# Altium PCB miniVent_PCB_v1_0.PcbDoc
Units mm, origin at the board's own origin, x right, y up, seen from the top; angles counter-clockwise.
Board outline 150 x 89 mm, 2 copper layers (Top Layer, Bottom Layer); 156 components, 119 nets, 524 pads, 179 vias.
Unrouted connection lines stored in the file: 74.
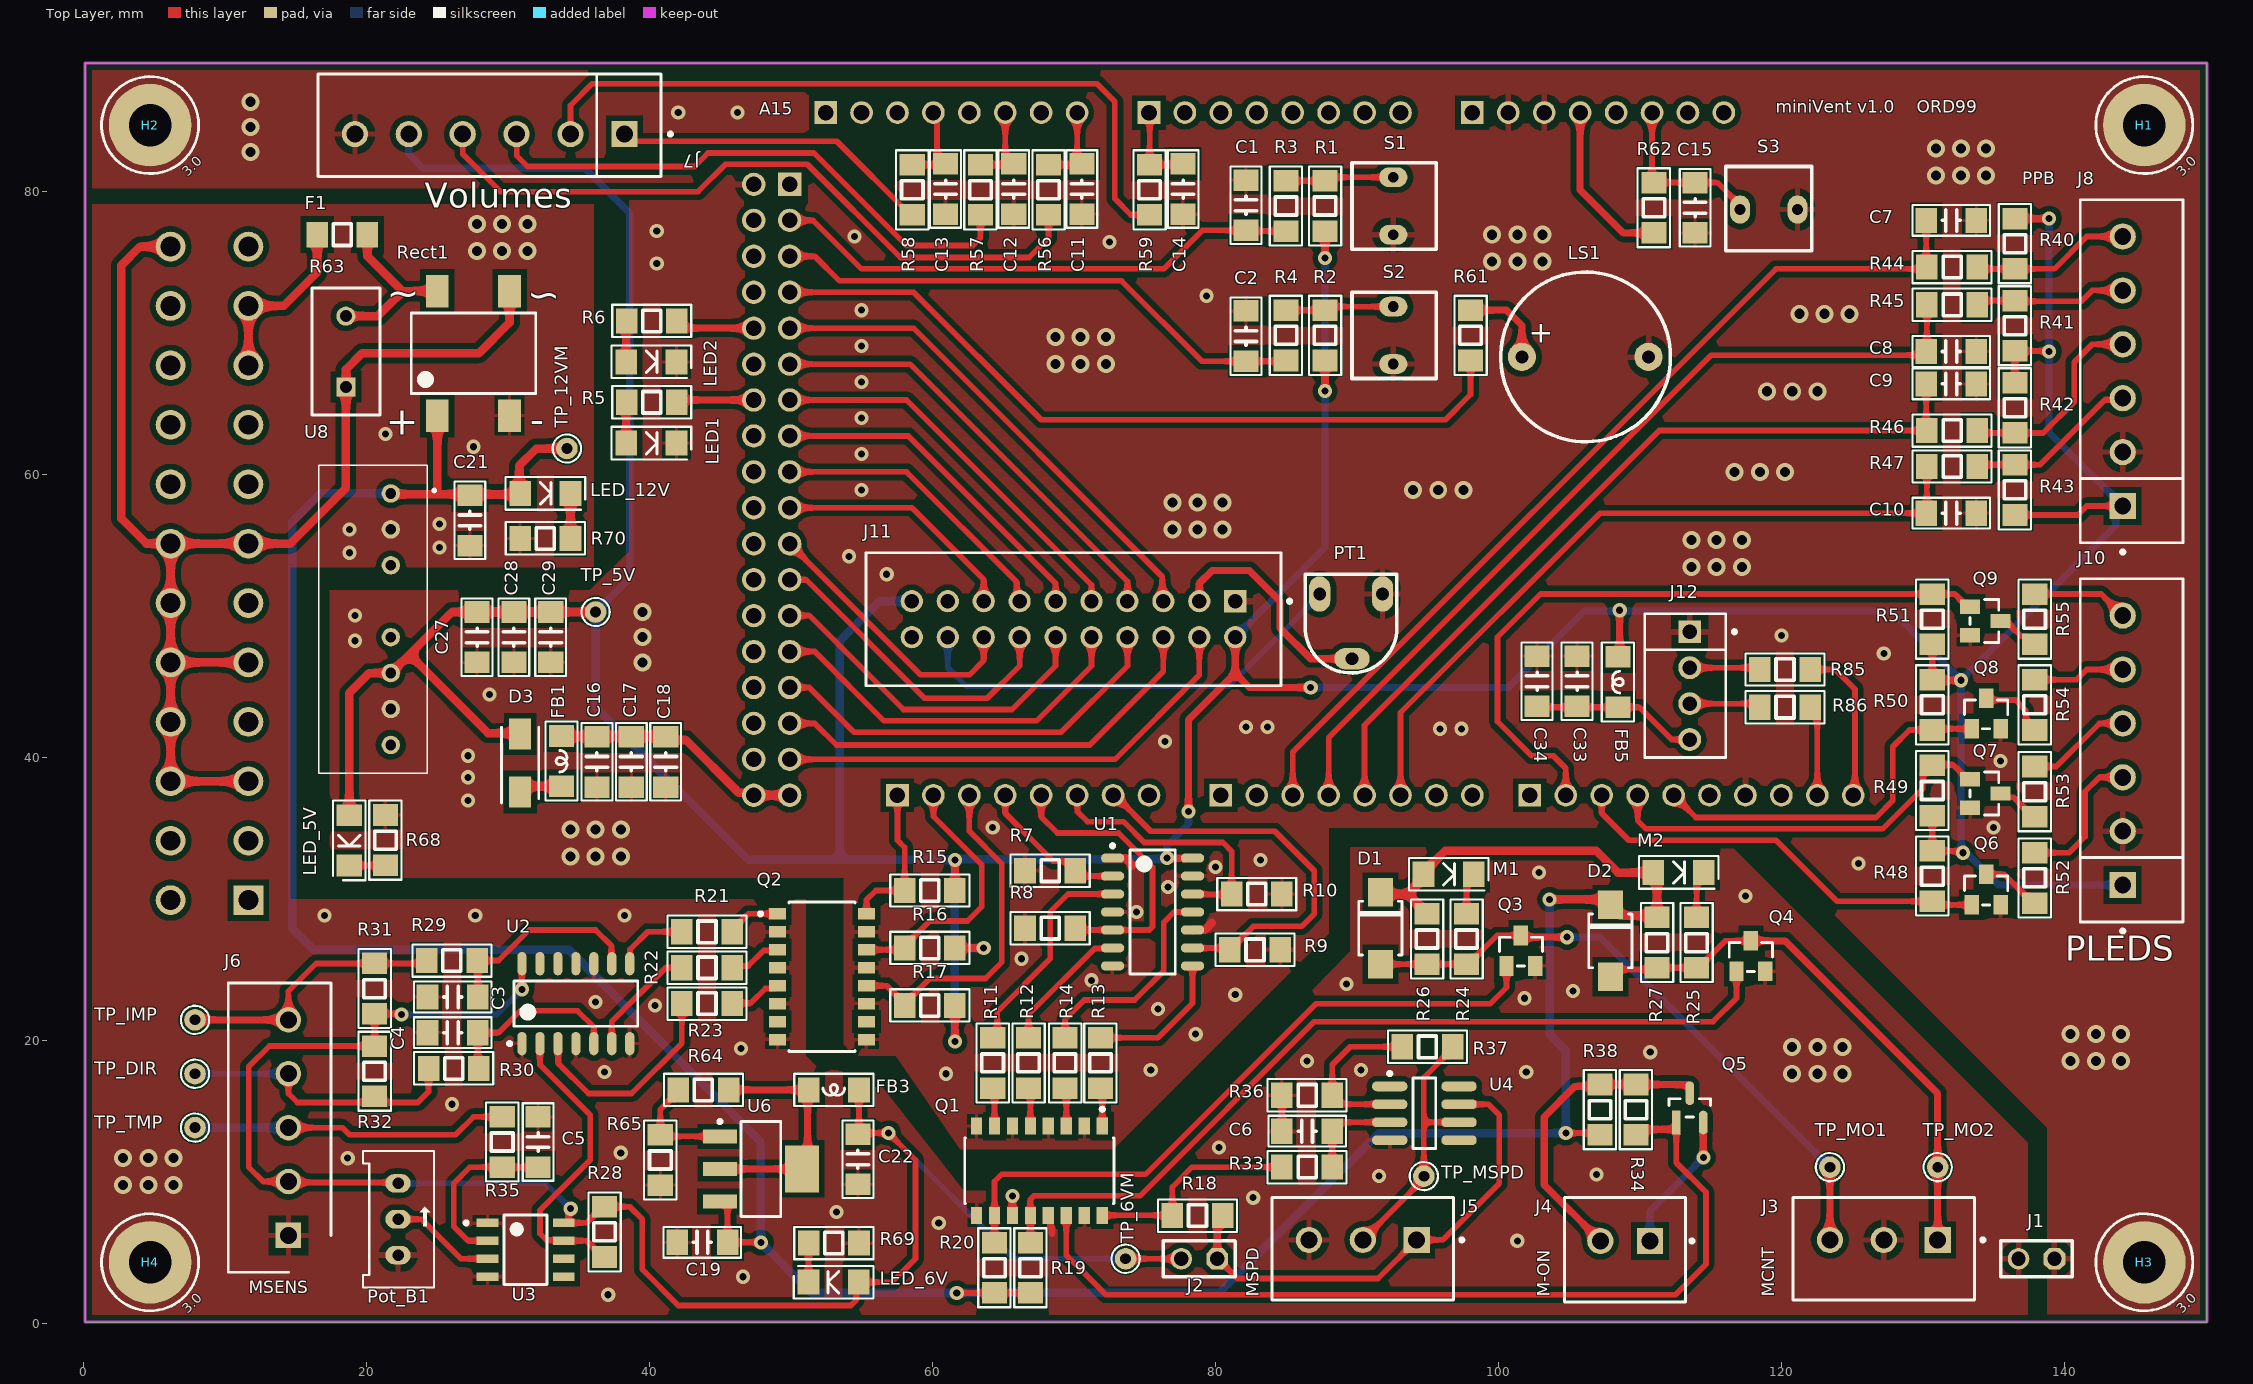
[diagram p0: Top Layer view]
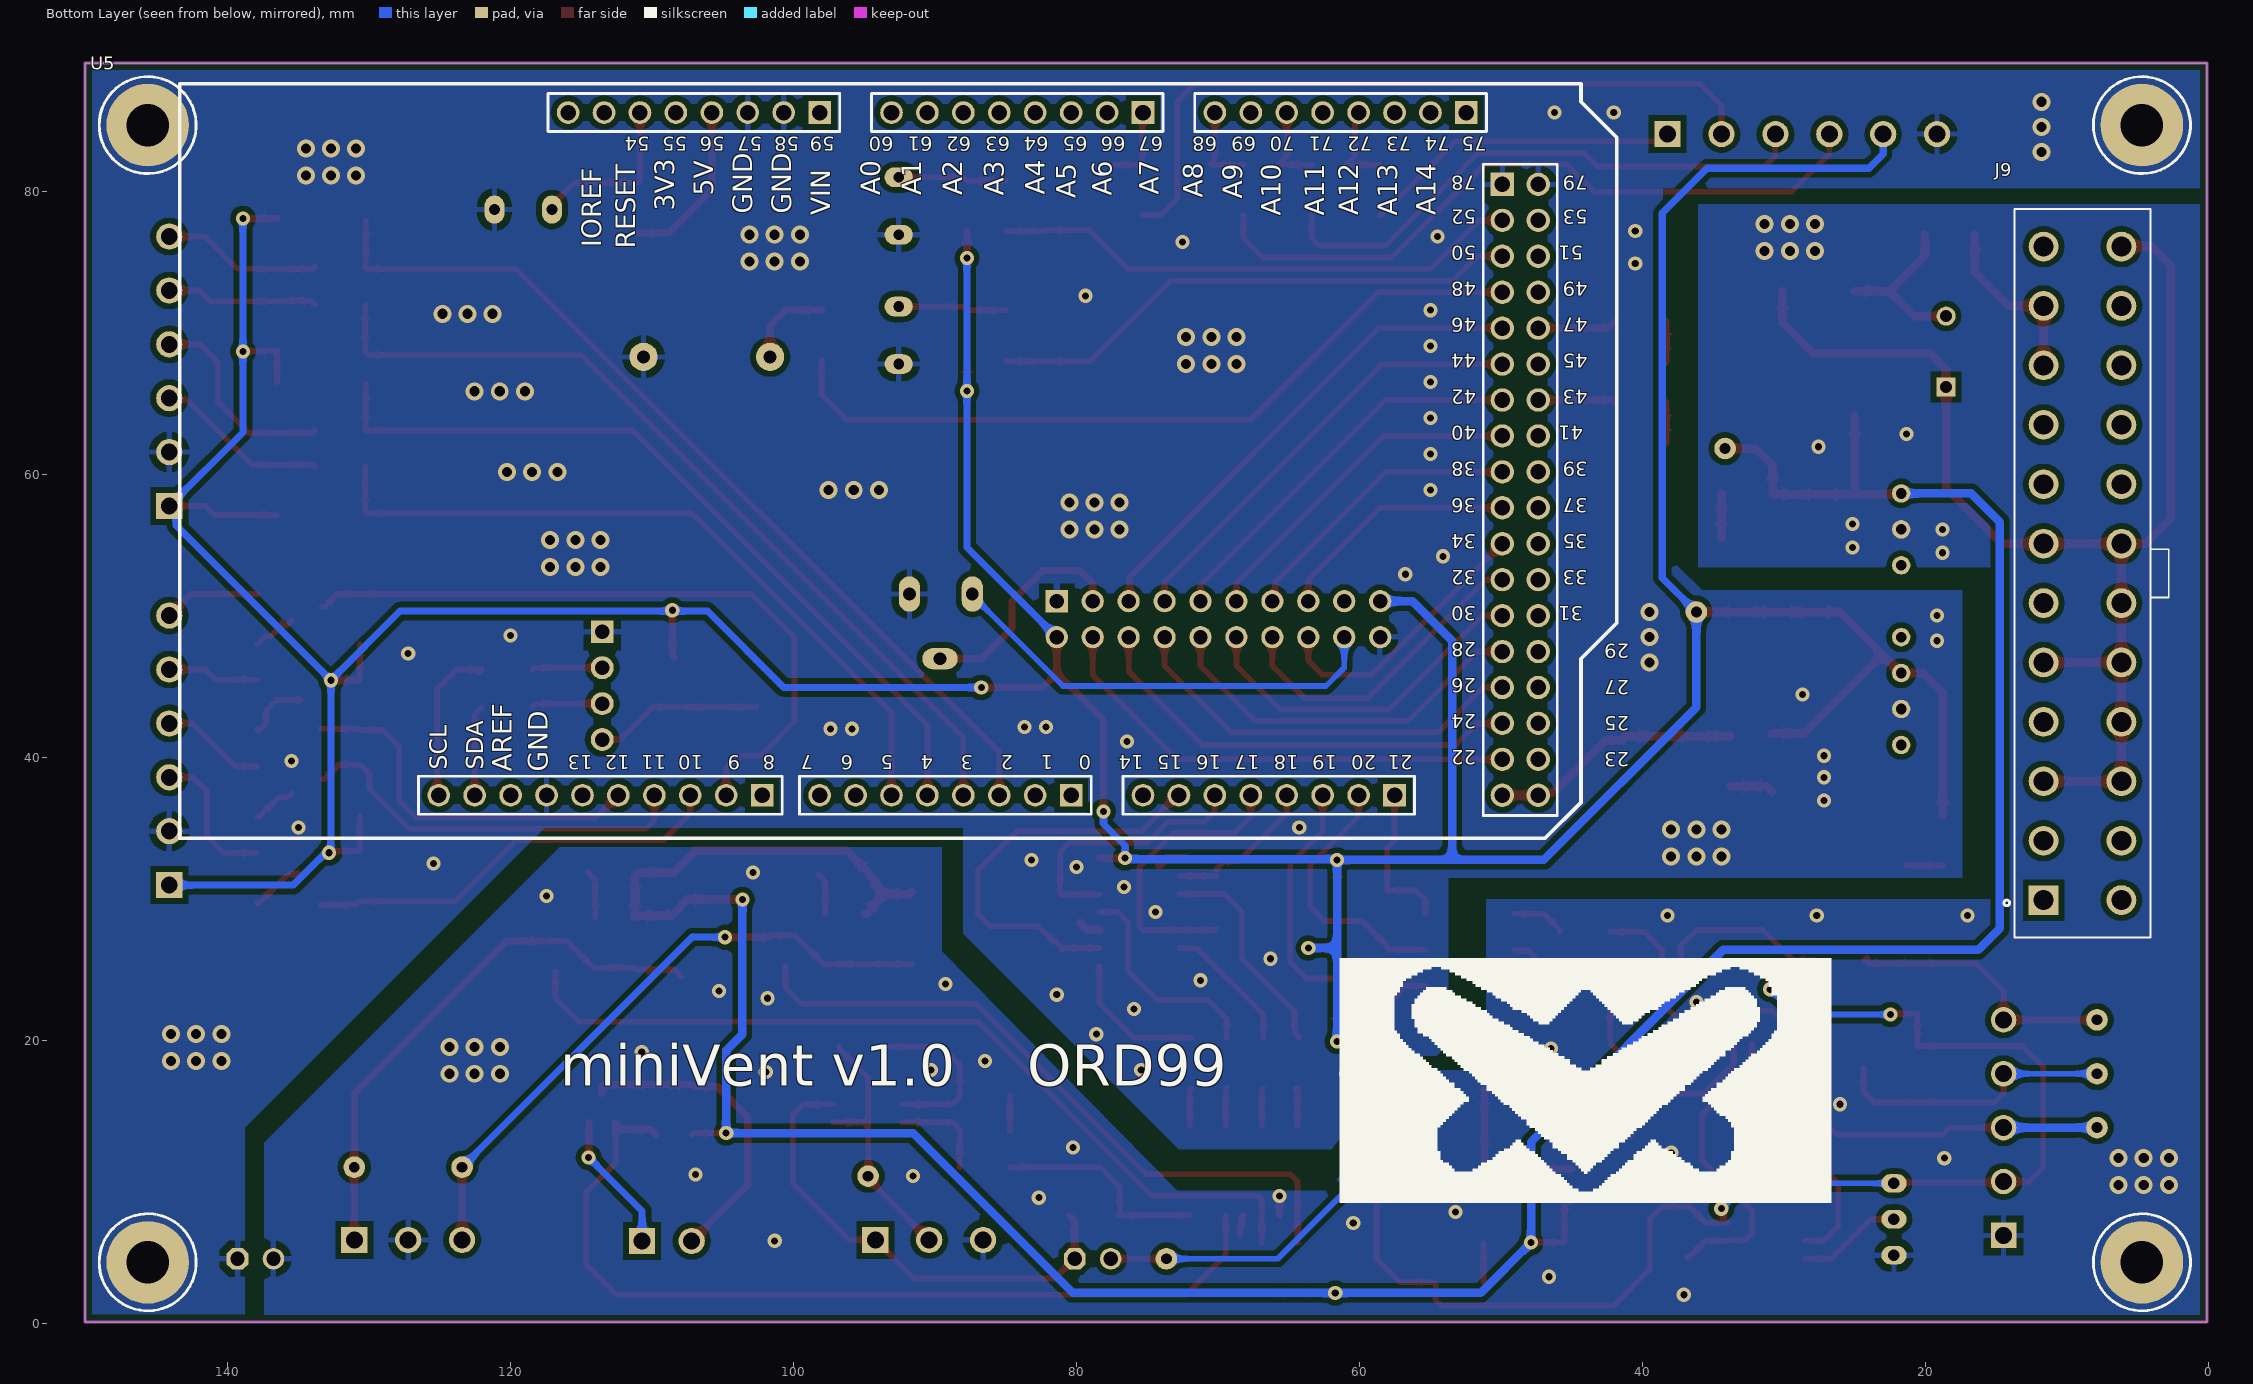
[diagram p1: Bottom Layer view, seen from below]

## Layer stack, top to bottom
Top Solder: solder mask 0.0102, Solder Resist, Dk 3.5
Top Layer: signal copper 0.0356
Dielectric 1: dielectric 0.32, FR-4, Dk 4.8
Bottom Layer: signal copper 0.0356
Bottom Solder: solder mask 0.0102, Solder Resist, Dk 3.5

## Board outline
0.1,0.1 0.1,89.1 150.1,89.1 150.1,0.1

## Design rules (kind name [scope] priority, off if disabled: settings)
Clearance [All] p1: gap=0.4 ignorepadtopadclearanceinfootprint=FALSE except(0: Arc-Hole Track-Hole SMDPad-Hole THPad-Hole Via-Hole Fill-Hole Poly-Hole Region-Hole Text-Hole)
HoleSize [All] p1: absolutevalues=TRUE maxlimit=3 minlimit=0.4 maxpercent=80.000 minpercent=20.000
PolygonConnect [All] p1: thpad.connectstyle=Relief thpad.reliefconductorwidth=0.4 thpad.reliefentries=4 thpad.polygonreliefangle="90 Angle" thpad.airgapwidth=0.5 smdpad.connectstyle=Relief smdpad.reliefconductorwidth=0.254 smdpad.reliefentries=4 smdpad.polygonreliefangle="90 Angle" smdpad.airgapwidth=0.254 via.connectstyle=Direct via.reliefconductorwidth=0.254 via.reliefentries=4 via.polygonreliefangle="90 Angle" via.airgapwidth=0.254
RoutingVias [All] p1: holewidth=0.5 width=1 viastyle="Through Hole" minholewidth=0.5 minwidth=1 maxholewidth=1 maxwidth=1.5
SilkToSilkClearance [All] p1: silktosilkclearance=0.01
SilkToSolderMaskClearance [IsPad] p1: minsilkscreentomaskgap=0.01 clearancetoexposedcopper=TRUE
SolderMaskExpansion [All] p1: expansion=0.102 istentingtop=FALSE
UnRoutedNet [All] p1: checkbadconnections=TRUE
Width [All] p1: maxlimit=1 minlimit=0.4 preferedwidth=0.5 minimp=50.000000 maximp=50.000000 favimp=50.000000
26 further rules are at their usual default settings.

## Classes and differential pairs
net class PPB_ard[1..4]: PPB_ard1 PPB_ard2 PPB_ard3 PPB_ard4
net class PLED_ard[1..4]: PLED_ard1 PLED_ard2 PLED_ard3 PLED_ard4
net class BPB_ard[1..2]: BPB_ard1 BPB_ard2
net class BLED_ard[1..2]: BLED_ard1 BLED_ard2
net class PPB_In[1..4]: PPB_In1 PPB_In2 PPB_In3 PPB_In4
net class PLED_Out[1..4]: PLED_Out1 PLED_Out2 PLED_Out3 PLED_Out4
net class DB[0..7]: DB0 DB1 DB2 DB3 DB4 DB5 DB6 DB7
component class Volume: C11 C12 C13 C14 R56 R57 R58 R59
component class Top: H1 H2 H3 H4 J3 J4 J5 J6 J7 J8 J9 J10 J11 POT1 PT1
component class Pressure_Sensor: C33 C34 FB5 J12 R85 R86
component class Power: C19 C21 C22 C27 C28 C29 F1 FB3 J1 J2 LED_5V LED_6V LED_12V R63 R64 R65 R68 R69 R70 Rect1 TP_5V TP_6VM TP_12VM U6 U8
component class Pannel_PB_LED: C7 C8 C9 C10 Q6 Q7 Q8 Q9 R40 R41 R42 R43 R44 R45 R46 R47 R48 R49 R50 R51 R52 R53 R54 R55
component class Motor_Driver: C3 C4 C5 C6 D1 D2 M1 M2 Pot_B1 Q1 Q2 Q3 Q4 Q5 R7 R8 R9 R10 R11 R12 R13 R14 R15 R16 R17 R18 R19 R20 R21 R22 R23 R24 R25 R26 R27 R28 R29 R30 R31 R32 R33 R34 R35 R36 R37 R38 TP_DIR TP_IMP TP_MO1 TP_MO2 TP_MSPD TP_TMP U1 U2 U3 U4
component class Board_PB_LED: C1 C2 LED1 LED2 R1 R2 R3 R4 R5 R6 S1 S2
component class Arduino: C15 C16 C17 C18 D3 FB1 LS1 R61 R62 S3 U5

## Components (designator, comment, footprint, x,y, rotation, side; value= is the part's Value field where it differs from the comment)
C1 "1u" C1206 82.169,79.048 r90 top
C2 "1u" C1206 82.169,69.796 r90 top
C3 "100n" C1206 26.089,23.078 r180 top
C4 "100n" C1206 26.089,20.555 r180 top
C5 "10u" C1206 32.131,12.827 r90 top
C6 "100n" C1206 86.487,13.589 r180 top
C7 "1u" C1206 132.026,77.978 r0 top
C8 "1u" C1206 132.026,68.707 r0 top
C9 "1u" C1206 132.026,66.421 r0 top
C10 "1u" C1206 132.026,57.277 r0 top
C11 "1u" C1206 70.567,80.191 r270 top
C12 "1u" C1206 65.75,80.191 r270 top
C13 "1u" C1206 60.933,80.191 r270 top
C14 "1u" C1206 77.724,80.191 r270 top
C15 "1u" C1206 113.919,78.867 r270 top
C16 "10u" C1206 36.287,39.697 r270 top
C17 "1u" C1206 38.717,39.697 r270 top
C18 "100n" C1206 41.148,39.697 r270 top
C19 "10u" C1206 43.742,5.737 r180 top
C21 "47u" C1206 27.305,56.769 r270 top
C22 "10u" C1206 54.737,11.611 r270 top
C27 "47u" C1206 27.813,48.514 r270 top
C28 "10u" C1206 30.416,48.514 r270 top
C29 "100n" C1206 33.02,48.514 r270 top
C33 "1u" C1206 105.574,45.393 r90 top
C34 "100n" C1206 102.743,45.393 r270 top
D1 "Diode" Diode-M7 91.669,27.94 r90 top
D2 "Diode" Diode-M7 107.925,27.051 r90 top
D3 "SS34" DIOM5026X262N 30.861,39.624 r90 top
F1 "Fuse" R1206 18.288,76.962 r0 top value=300mA
FB1 "0.955u" L1206 33.782,39.751 r90 top
FB3 "0.955u" L1206 53.033,16.51 r0 top
FB5 "0.955u" L1206 108.458,45.339 r270 top
H1 "Round Pad" P3.0C 145.669,84.709 r0 top
H2 "Round Pad" P3.0C 4.699,84.709 r0 top
H3 "Round Pad" P3.0C 145.669,4.325 r0 top
H4 "Round Pad" P3.0C 4.699,4.325 r0 top
J1 "Jumper" JUMPER2 138.049,4.572 r90 top
J2 "Jumper" JUMPER2 78.867,4.572 r90 top
J3 "Conn_Phoenix_Contact_1803439_eec" Phoenix_Contact_1803439_0 127.254,5.282 r180 top
J4 "1843606" Phoenix_Contact_1843606_MFG 108.966,5.207 r180 top
J5 "Conn_Phoenix_Contact_1803439_eec" Phoenix_Contact_1803439_0 90.424,5.282 r180 top
J6 "1803455" SHDR5W100P0X381_1X5_2044X725X920P 14.478,6.223 r90 top
J7 "Conn_Phoenix_Contact_1803468_eec" Phoenix_Contact_1803468_0 28.702,84.699 r180 top
J8 "Conn_Phoenix_Contact_1803468_eec" Phoenix_Contact_1803468_0 144.77,67.31 r90 top
J9 "2-1586041-4" "Molex24Pin - Vertical" 8.9,53.027 r90 bottom
J10 "Conn_Phoenix_Contact_1803468_eec" Phoenix_Contact_1803468_0 144.77,40.513 r90 top
J11 "TSS-110-01-G-D" Samtec_Inc._http--suddendocs.samtec.com-prints-tss-tstd.pdf_0 69.977,49.784 r180 top
J12 "Tel 6 Pin" TE_640454-4_0 113.218,45.085 r90 top
LED1 "LED" "LED 1206" 37.454,61.23 r0 top
LED2 "LED" "LED 1206" 37.454,66.977 r0 top
LED_5V "LED" "LED 1206" 17.78,36.83 r270 top
LED_6V "LED" "LED 1206" 55.7,3.921 r180 top
LED_12V "LED" "LED 1206" 29.961,57.674 r0 top
LS1 "KXG1205C" BUZZER 106.172,68.326 r0 top
M1 "LED" "LED 1206" 93.817,30.75 r0 top
M2 "LED" "LED 1206" 110.073,30.877 r0 top
Pot_B1 "POT_10K" 3296W 22.225,7.366 r90 top
PT1 "POT3" POT3 92.837,52.959 r180 top
Q1 "TLP281-4_GB-TP,J,F" Toshiba_11-10F1_0 67.564,10.795 r270 top
Q2 "TLP281-4_GB-TP,J,F" Toshiba_11-10F1_0 52.197,24.511 r0 top
Q3 "NMOS" "NMOS SOT-23" 101.6,25.273 r0 top
Q4 "NMOS" "NMOS SOT-23" 117.856,24.892 r0 top
Q5 "FDN360P" ON_Semiconductor_527AG-01_IPC_A 113.538,15.24 r90 top
Q6 "NMOS" "NMOS SOT-23" 134.493,29.591 r0 top
Q7 "NMOS" "NMOS SOT-23" 133.35,37.465 r270 top
Q8 "NMOS" "NMOS SOT-23" 134.493,42.037 r0 top
Q9 "NMOS" "NMOS SOT-23" 133.35,49.657 r270 top
R1 "10k" R1206 87.757,78.994 r90 top
R2 "10k" R1206 87.757,69.85 r90 top
R3 "1k" R1206 84.989,78.994 r90 top
R4 "1k" R1206 84.989,69.85 r90 top
R5 "1k" R1206 40.16,65.119 r0 top
R6 "1k" R1206 40.16,70.866 r0 top
R7 "10k" R1206 68.326,32.004 r0 top
R8 "10k" R1206 68.326,27.94 r180 top
R9 "10k" R1206 82.804,26.416 r0 top
R10 "10k" R1206 82.931,30.353 r0 top
R11 "499" R1206 64.262,18.415 r90 top
R12 "499" R1206 66.802,18.415 r90 top
R13 "499" R1206 71.882,18.415 r90 top
R14 "499" R1206 69.384,18.415 r90 top
R15 "10k" R1206 59.817,30.607 r180 top
R16 "10k" R1206 59.817,26.543 r180 top
R17 "10k" R1206 59.817,22.479 r180 top
R18 "2.2k" R1206 78.74,7.62 r180 top
R19 "2.2k" R1206 66.929,3.937 r90 top
R20 "10k" R1206 64.389,3.937 r90 top
R21 "499" R1206 44.069,27.686 r0 top
R22 "499" R1206 44.069,25.146 r0 top
R23 "499" R1206 44.069,22.606 r0 top
R24 "10k" R1206 97.765,27.178 r270 top
R25 "10k" R1206 114.021,26.924 r270 top
R26 "2.2k" R1206 94.971,27.178 r90 top
R27 "10k" R1206 111.227,26.924 r90 top
R28 "10k" R1206 36.83,6.477 r90 top
R29 "100" R1206 26.035,25.654 r0 top
R30 "100" R1206 26.162,18.034 r0 top
R31 "10k" R1206 20.574,23.673 r90 top
R32 "10k" R1206 20.574,17.831 r270 top
R33 "1k" R1206 86.487,11.049 r0 top
R34 "10k" R1206 109.728,15.113 r90 top
R35 "2.2k" R1206 29.591,12.827 r270 top
R36 "10k" R1206 86.487,16.129 r180 top
R37 "1k" R1206 94.996,19.558 r0 top
R38 "0" R1206 107.188,15.113 r270 top
R40 "10k" R1206 136.525,76.327 r270 top
R41 "10k" R1206 136.525,70.527 r90 top
R42 "10k" R1206 136.525,64.728 r270 top
R43 "10k" R1206 136.525,58.928 r90 top
R44 "1k" R1206 132.08,74.676 r0 top
R45 "1k" R1206 132.08,72.009 r0 top
R46 "1k" R1206 132.08,63.119 r0 top
R47 "1k" R1206 132.08,60.579 r0 top
R48 "10k" R1206 130.683,31.623 r90 top
R49 "10k" R1206 130.683,37.677 r270 top
R50 "10k" R1206 130.683,43.73 r90 top
R51 "10k" R1206 130.683,49.784 r270 top
R52 "2.2k" R1206 137.922,31.496 r90 top
R53 "2.2k" R1206 137.922,37.592 r90 top
R54 "2.2k" R1206 137.922,43.73 r90 top
R55 "2.2k" R1206 137.922,49.784 r90 top
R56 "1k" R1206 68.211,80.137 r270 top
R57 "1k" R1206 63.394,80.137 r270 top
R58 "1k" R1206 58.577,80.137 r270 top
R59 "1k" R1206 75.356,80.137 r270 top
R61 "1k" R1206 98.044,69.85 r90 top
R62 "10k" R1206 110.998,78.867 r90 top
R63 "Res Varistor" BOURNS_MOV-07D431K_0 18.542,68.707 r90 top
R64 "4.7k" R1206 43.815,16.51 r180 top
R65 "4.7k" R1206 40.767,11.557 r270 top
R68 "2.2k" R1206 21.336,34.163 r90 top
R69 "10k" R1206 53.033,5.684 r0 top
R70 "10k" R1206 32.639,55.499 r180 top
R85 "100" R1206 120.269,46.228 r180 top
R86 "100" R1206 120.269,43.561 r180 top
Rect1 "Rect DB107S" DB107S 27.559,68.58 r180 top
S1 "PB-2pin" PB-2pin 95.631,75.946 r90 top
S2 "PB-2pin" PB-2pin 95.631,66.802 r90 top
S3 "PB-2pin" PB-2pin 122.174,81.788 r180 top
TP_5V "Test Point" "Test Point Small" 36.195,50.292 r90 top
TP_6VM "Test Point" "Test Point Small" 73.66,4.572 r90 top
TP_12VM "Test Point" "Test Point Small" 34.163,61.849 r90 top
TP_DIR "Test Point" "Test Point Small" 7.874,17.653 r270 top
TP_IMP "Test Point" "Test Point Small" 7.874,21.463 r270 top
TP_MO1 "Test Point" "Test Point Small" 123.444,11.049 r90 top
TP_MO2 "Test Point" "Test Point Small" 131.064,11.049 r90 top
TP_MSPD "Test Point" "Test Point Small" 94.742,10.414 r90 top
TP_TMP "Test Point" "Test Point Small" 7.874,13.843 r0 top
U1 "SN74HC125D" D0014A_M 75.565,29.083 r0 top
U2 "SN74HC125D" D0014A_M 34.798,22.606 r90 top
U3 "LM311D" Texas_Instruments_D_R-PDSO-G8_0 31.242,5.207 r270 top
U4 "AD8051ARZ" ADI-R-8_M 94.779,14.859 r0 top
U5 "Arduino Mega2560" MEGA2560 81.661,61.468 r0 bottom locked
U6 "LM1117MP-ADJ" MP04A_N 47.879,10.922 r0 top
U8 "MCWI03-12S05" MCWI0312S05 20.764,49.784 r270 top

## Footprints (in the part's own frame and the unit in brackets; to place one, negate y for a bottom-side part, rotate by r counter-clockwise, add the part's x,y. Pads: shape width x height; smd on the part's side, far side on the other; paste and mask are expansions set on the pad)
3296W [mil]
  oval 52x70 hole 32: 1(-100,0) 2(0,0) 3(100,0)
  silkscreen extent -190,-100 190,97, body extent -187,-96 188,94, height 455
ADI-R-8_M [mm] "SOIC, 8-Leads, Body 4.9x3.9mm, Pitch 1.27mm, IPC Low Density"
  oval 2.5x0.7 smd: 1(-2.45,1.905) 2(-2.45,0.635) 3(-2.45,-0.635) 4(-2.45,-1.905) 5(2.45,-1.905) 6(2.45,-0.635) 7(2.45,0.635) 8(2.45,1.905)
  silkscreen extent -2.57,-2.5 0.8,2.93, body extent -2,-2.5 2,2.5, height 1.75
BOURNS_MOV-07D431K_0 [mm]
  rect 1.35x1.35 hole 0.85: 1(-2.5,0)
  round 1.35 hole 0.85: 2(2.5,0)
  silkscreen extent -4.5,-2.4 4.5,2.4, body extent -4.6,-2.5 4.6,2.5, height 0.25
BUZZER [mm] "BUZZER"
  round 2 hole 0.9: 1(-4.5,0) 2(4.45,0)
  silkscreen extent -6,-6 6,6
C1206 [mil]
  rect 60x70 smd: 1(-70,0) 2(70,0)
  silkscreen extent -108,-43 108,43, body extent -80,-34 85,37, height 37
D0014A_M [mm] "SOIC, 14-Leads, Body 8.75x4mm, Pitch 1.27mm, IPC Low Density"
  oval 1.65x0.65 smd: 1(-2.825,3.81) 2(-2.825,2.54) 3(-2.825,1.27) 4(-2.825,0) 5(-2.825,-1.27) 6(-2.825,-2.54) 7(-2.825,-3.81) 8(2.825,-3.81) 9(2.825,-2.54) 10(2.825,-1.27) 11(2.825,0) 12(2.825,1.27) 13(2.825,2.54) 14(2.825,3.81)
  silkscreen extent -2.95,-4.38 1.6,4.81, body extent -3.02,-4.32 3.02,4.32, height 1.59
DB107S [mm] "SOP, 4-Leads, Body 8.30x6.35mm, Pitch 5.10mm, IPC Medium Density"
  rect 1.6x2.3 smd: +(2.55,4.4) -(-2.55,4.4) A(2.55,-4.4) B(-2.55,-4.4)
  silkscreen extent -4.4,-2.85 4.4,2.85, body extent -4.4,-4.95 4.4,4.95, height 3.4
Diode-M7 [mil]
  rect 80x70 smd: A(-100,0) K(100,0)
  silkscreen extent -75,-60 75,60
DIOM5026X262N [mm]
  rect 2.2x1.55 smd: 1(-2.05,0) 2(2.05,0)
  silkscreen extent -2.83,-1.31 2.52,1.31, body extent -2.52,-1.31 2.52,1.31, height 2.62
JUMPER2 [mil]
  oct 60x60 hole 40: 1(0,-50)
  round 60 hole 40: 2(0,50)
  silkscreen extent -50,-100 50,100, body extent -53,-98 50,105, height 405
L1206 [mil]
  rect 60x70 smd: 1(-70,0) 2(70,0)
  silkscreen extent -110,-45 110,45, body extent -65,-31 61,32, height 49
"LED 1206" [mil]
  rect 60x70 smd: A(35.43,39.37) K(175.43,39.37)
  silkscreen extent -5,-6 217,85, body extent 41,8 167,71, height 43
MCWI0312S05 [mm]
  round 1.303 hole 0.76: 1(-8.89,0.953) 2(-6.35,0.953) 3(-3.81,0.953) 5(1.27,0.953) 6(3.81,0.953) 7(6.35,0.953) 8(8.89,0.953)
  silkscreen extent -10.9,-4.13 10.9,4.13
MEGA2560 [mm] "Arduino 2560"
  rect 1.6x1.6 hole 1.1: 0(-1.27,24.13) 8(20.574,24.13) 21(-24.13,24.13) 59(16.51,-24.13) 67(-6.35,-24.13) 75(-29.21,-24.13)
  round 1.6 hole 1.1: 1(1.27,24.13) 2(3.81,24.13) 3(6.35,24.13) 4(8.89,24.13) 5(11.43,24.13) 6(13.97,24.13) 7(16.51,24.13) 9(23.114,24.13) 10(25.654,24.13) 11(28.194,24.13) 12(30.734,24.13) 13(33.274,24.13) 14(-6.35,24.13) 15(-8.89,24.13) 16(-11.43,24.13) 17(-13.97,24.13) 18(-16.51,24.13) 19(-19.05,24.13) 20(-21.59,24.13) 54(29.21,-24.13) 55(26.67,-24.13) 56(24.13,-24.13) 57(21.59,-24.13) 58(19.05,-24.13) 60(11.43,-24.13) 61(8.89,-24.13) 62(6.35,-24.13) 63(3.81,-24.13) 64(1.27,-24.13) 65(-1.27,-24.13) 66(-3.81,-24.13) 68(-11.43,-24.13) 69(-13.97,-24.13) 70(-16.51,-24.13) 71(-19.05,-24.13) 72(-21.59,-24.13) 73(-24.13,-24.13) 74(-26.67,-24.13) 76(35.814,24.13) 77(38.354,24.13) 82(40.894,24.13) 83(43.434,24.13) 84(31.75,-24.13) 85(34.29,-24.13)
  round 1.65 hole 1.1: 22(-31.75,21.59) 23(-34.29,21.59) 24(-31.75,19.05) 25(-34.29,19.05) 26(-31.75,16.51) 27(-34.29,16.51) 28(-31.75,13.97) 29(-34.29,13.97) 30(-31.75,11.43) 31(-34.29,11.43) 32(-31.75,8.89) 33(-34.29,8.89) 34(-31.75,6.35) 35(-34.29,6.35) 36(-31.75,3.81) 37(-34.29,3.81) 38(-31.75,1.27) 39(-34.29,1.27) 40(-31.75,-1.27) 41(-34.29,-1.27) 42(-31.75,-3.81) 43(-34.29,-3.81) 44(-31.75,-6.35) 45(-34.29,-6.35) 46(-31.75,-8.89) 47(-34.29,-8.89) 48(-31.75,-11.43) 49(-34.29,-11.43) 50(-31.75,-13.97) 51(-34.29,-13.97) 52(-31.75,-16.51) 53(-34.29,-16.51) 79(-34.29,-19.05) 80(-34.29,24.13) 81(-31.75,24.13)
  rect 1.65x1.65 hole 1.1: 78(-31.75,-19.05)
  silkscreen extent -39.85,-26.16 61.75,27.18, body extent -39.88,-26.16 68.07,27.18, height 16.2
"Molex24Pin - Vertical" [mm] "Molex ATX 24Pin"
  rect 2.1x2.1 hole 1.4: 1(-23.1,2.75)
  round 2.1 hole 1.4: 2(-18.9,2.75) 3(-14.7,2.75) 4(-10.5,2.75) 5(-6.3,2.75) 6(-2.1,2.75) 7(2.1,2.75) 8(6.3,2.75) 9(10.5,2.75) 10(14.7,2.75) 11(18.9,2.75) 12(23.1,2.75) 13(-23.1,-2.75) 14(-18.9,-2.75) 15(-14.7,-2.75) 16(-10.5,-2.75) 17(-6.3,-2.75) 18(-2.1,-2.75) 19(2.1,-2.75) 20(6.3,-2.75) 21(10.5,-2.75) 22(14.7,-2.75) 23(18.9,-2.75) 24(23.1,-2.75)
  silkscreen extent -25.75,-6.1 25.75,5.55, body extent -26.67,-6.1 27.23,6.2, height 24.88
MP04A_N [mm] "SOT223, 4-Leads, Body 6.5x3.5mm, Pitch 2.3mm, Lead Span 7mm, IPC Medium Density"
  rect 2.4x1 smd: 1(-2.9,2.3) 2(-2.9,0) 3(-2.9,-2.3)
  rect 2.4x3.3 smd: 4(2.9,0)
  silkscreen extent -3.02,-3.35 1.4,3.47, body extent -1.86,-3.35 1.86,3.35, height 1.8
"NMOS SOT-23" [mil]
  rect 40x55 smd: D(0,85) G(-40,0) S(40,0)
  silkscreen extent -60,0 60,80
ON_Semiconductor_527AG-01_IPC_A [mm]
  rect 1.675x0.618 smd: 1(-1.035,0.95)
  rrect100% 1.675x0.618 smd: 2(-1.035,-0.95) 3(1.035,0)
  silkscreen extent -0.65,-1.46 0.65,1.46, body extent -2.37,-1.96 2.37,1.96, height 0.25
P3.0C [mil]
  round 230 hole 118.11: P(0,0)
  silkscreen extent -135,-135 135,135
PB-2pin [mil] "Switch"
  oval 55.12x78.74 hole 30: 1(40,120) 2(200,120)
  silkscreen extent 0,0 240,235
Phoenix_Contact_1803439_0 [mm]
  rect 1.85x1.85 hole 1.2: 1(-3.81,-0.625)
  round 1.85 hole 1.2: 2(0,-0.625) 3(3.81,-0.625)
  silkscreen extent -7.13,-3.62 6.41,3.62, body extent -6.28,-3.43 6.54,3.82, height 9.2
Phoenix_Contact_1803468_0 [mm]
  rect 1.85x1.85 hole 1.2: 1(-9.525,0.625)
  round 1.85 hole 1.2: 2(-5.715,0.625) 3(-1.905,0.625) 4(1.905,0.625) 5(5.715,0.625) 6(9.525,0.625)
  silkscreen extent -12.9,-3.62 12.12,3.62, body extent -12.12,-3.81 12.12,3.44, height 9.2
Phoenix_Contact_1843606_MFG [mm]
  rect 1.85x1.85 hole 1.2: 1(-1.75,-0.625)
  round 1.85 hole 1.2: 2(1.75,-0.625)
  silkscreen extent -4.85,-3.7 4.28,3.7, body extent -4.38,-3.8 4.38,3.8, height 0.25
POT3 [mm]
  oval 1.5x2.5 hole 0.9: 1(1.016,1.397) 2(5.461,1.397)
  oval 2.5x1.5 hole 0.9: 3(3.175,5.969)
  silkscreen extent 0,0 6.48,6.98
R1206 [mil]
  rect 60x70 smd: 1(-70,0) 2(70,0)
  silkscreen extent -25,-30 25,30
Samtec_Inc._http--suddendocs.samtec.com-prints-tss-tstd.pdf_0 [mm]